# KiCad board CCC_ESC.kicad_pcb
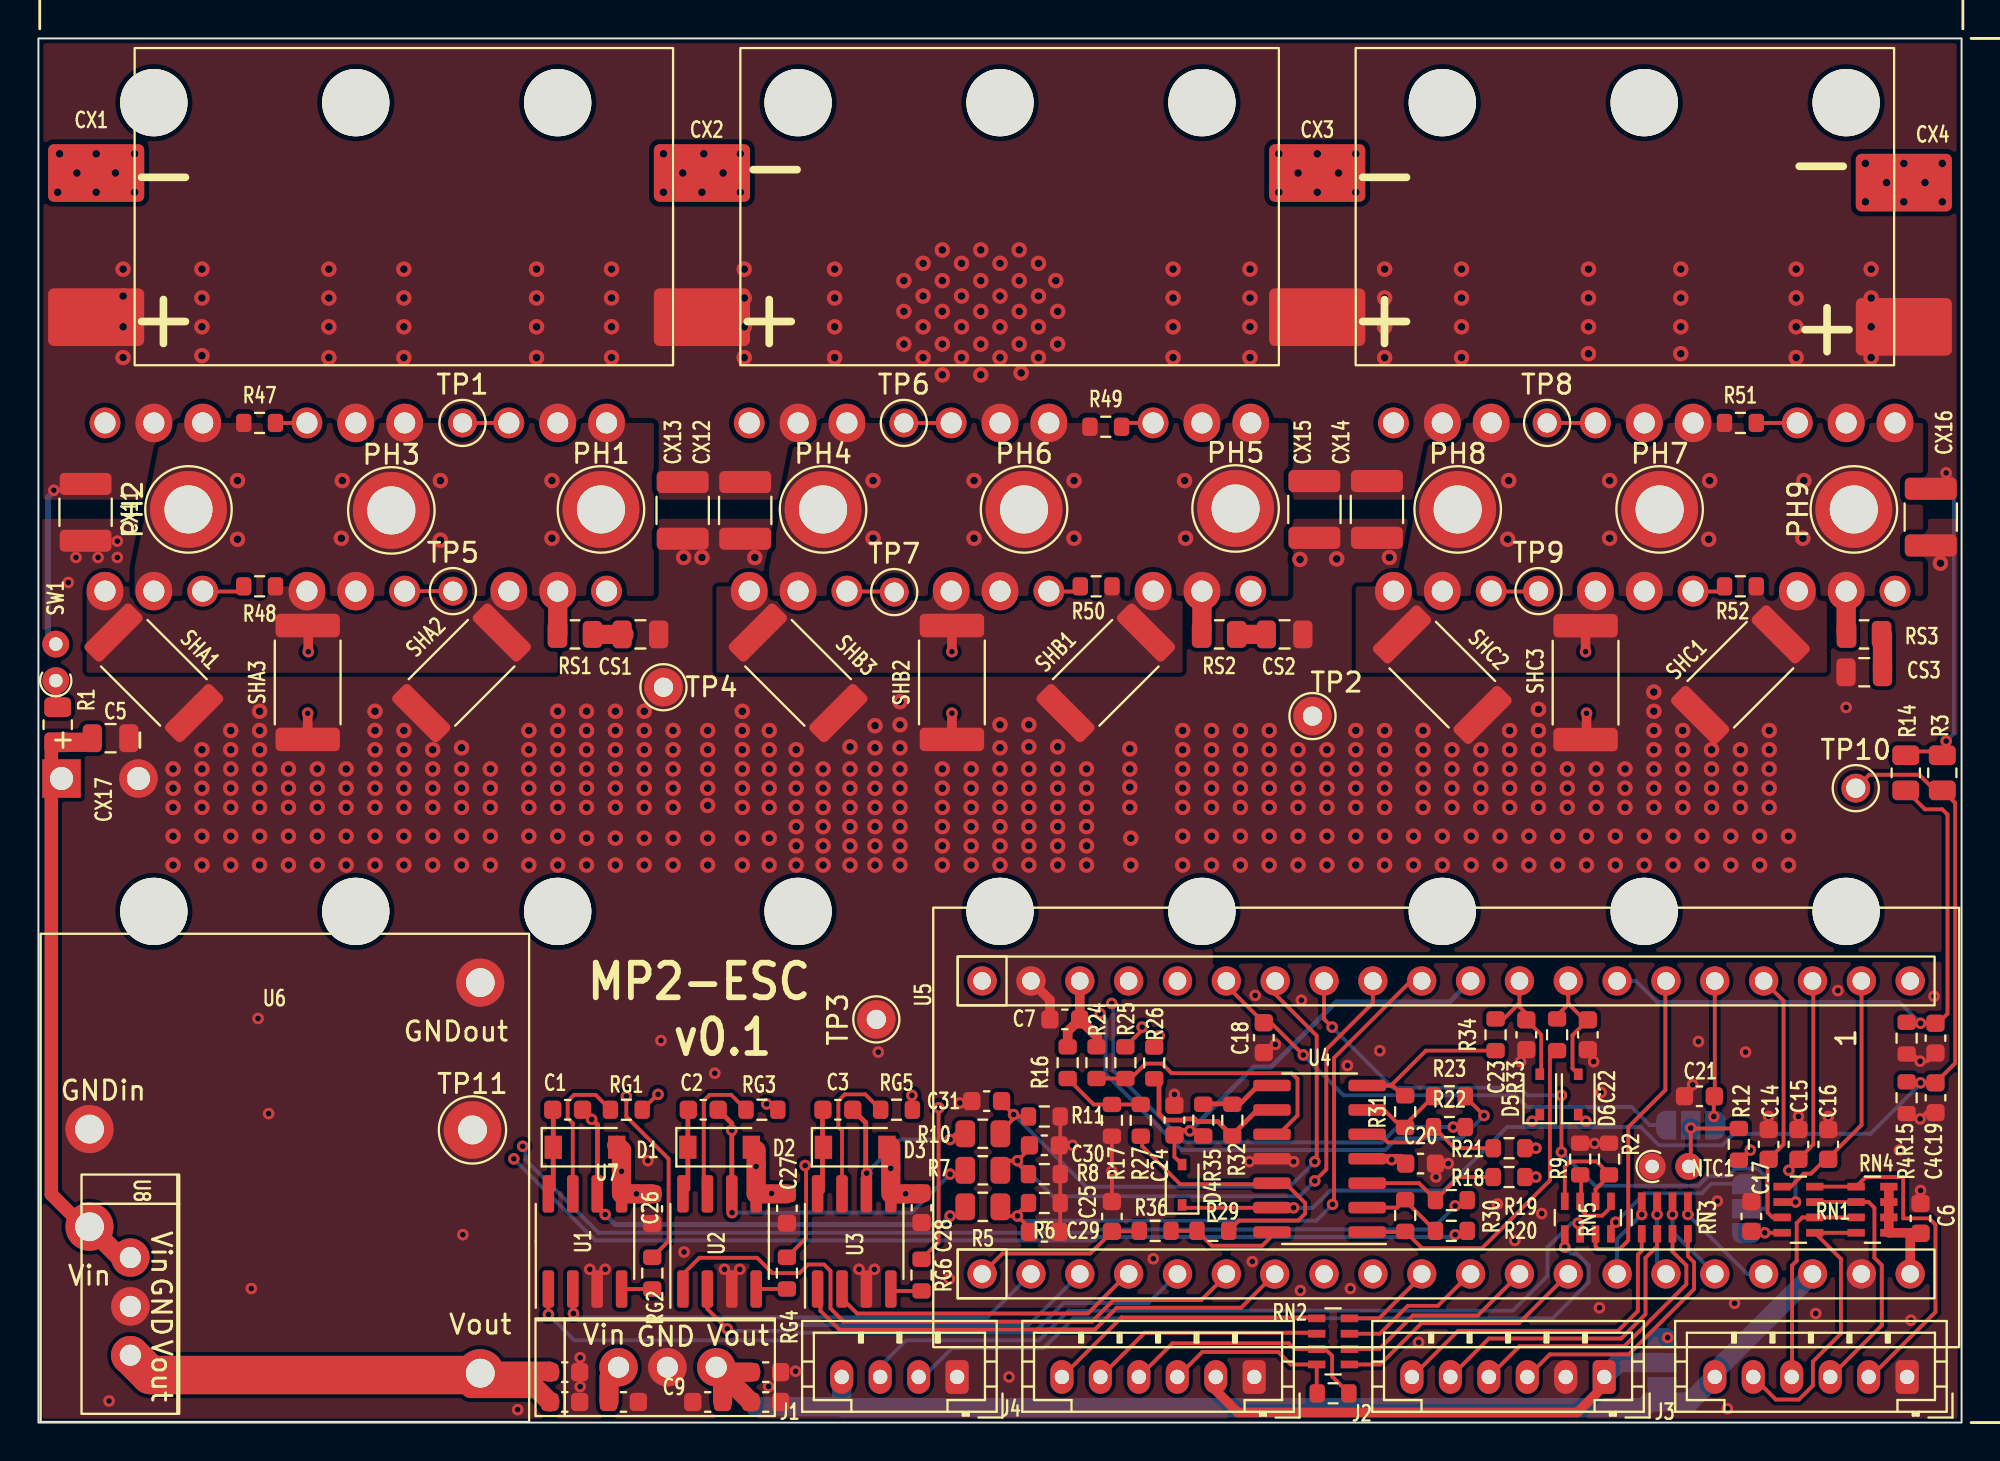
[diagram p0: board, top side]
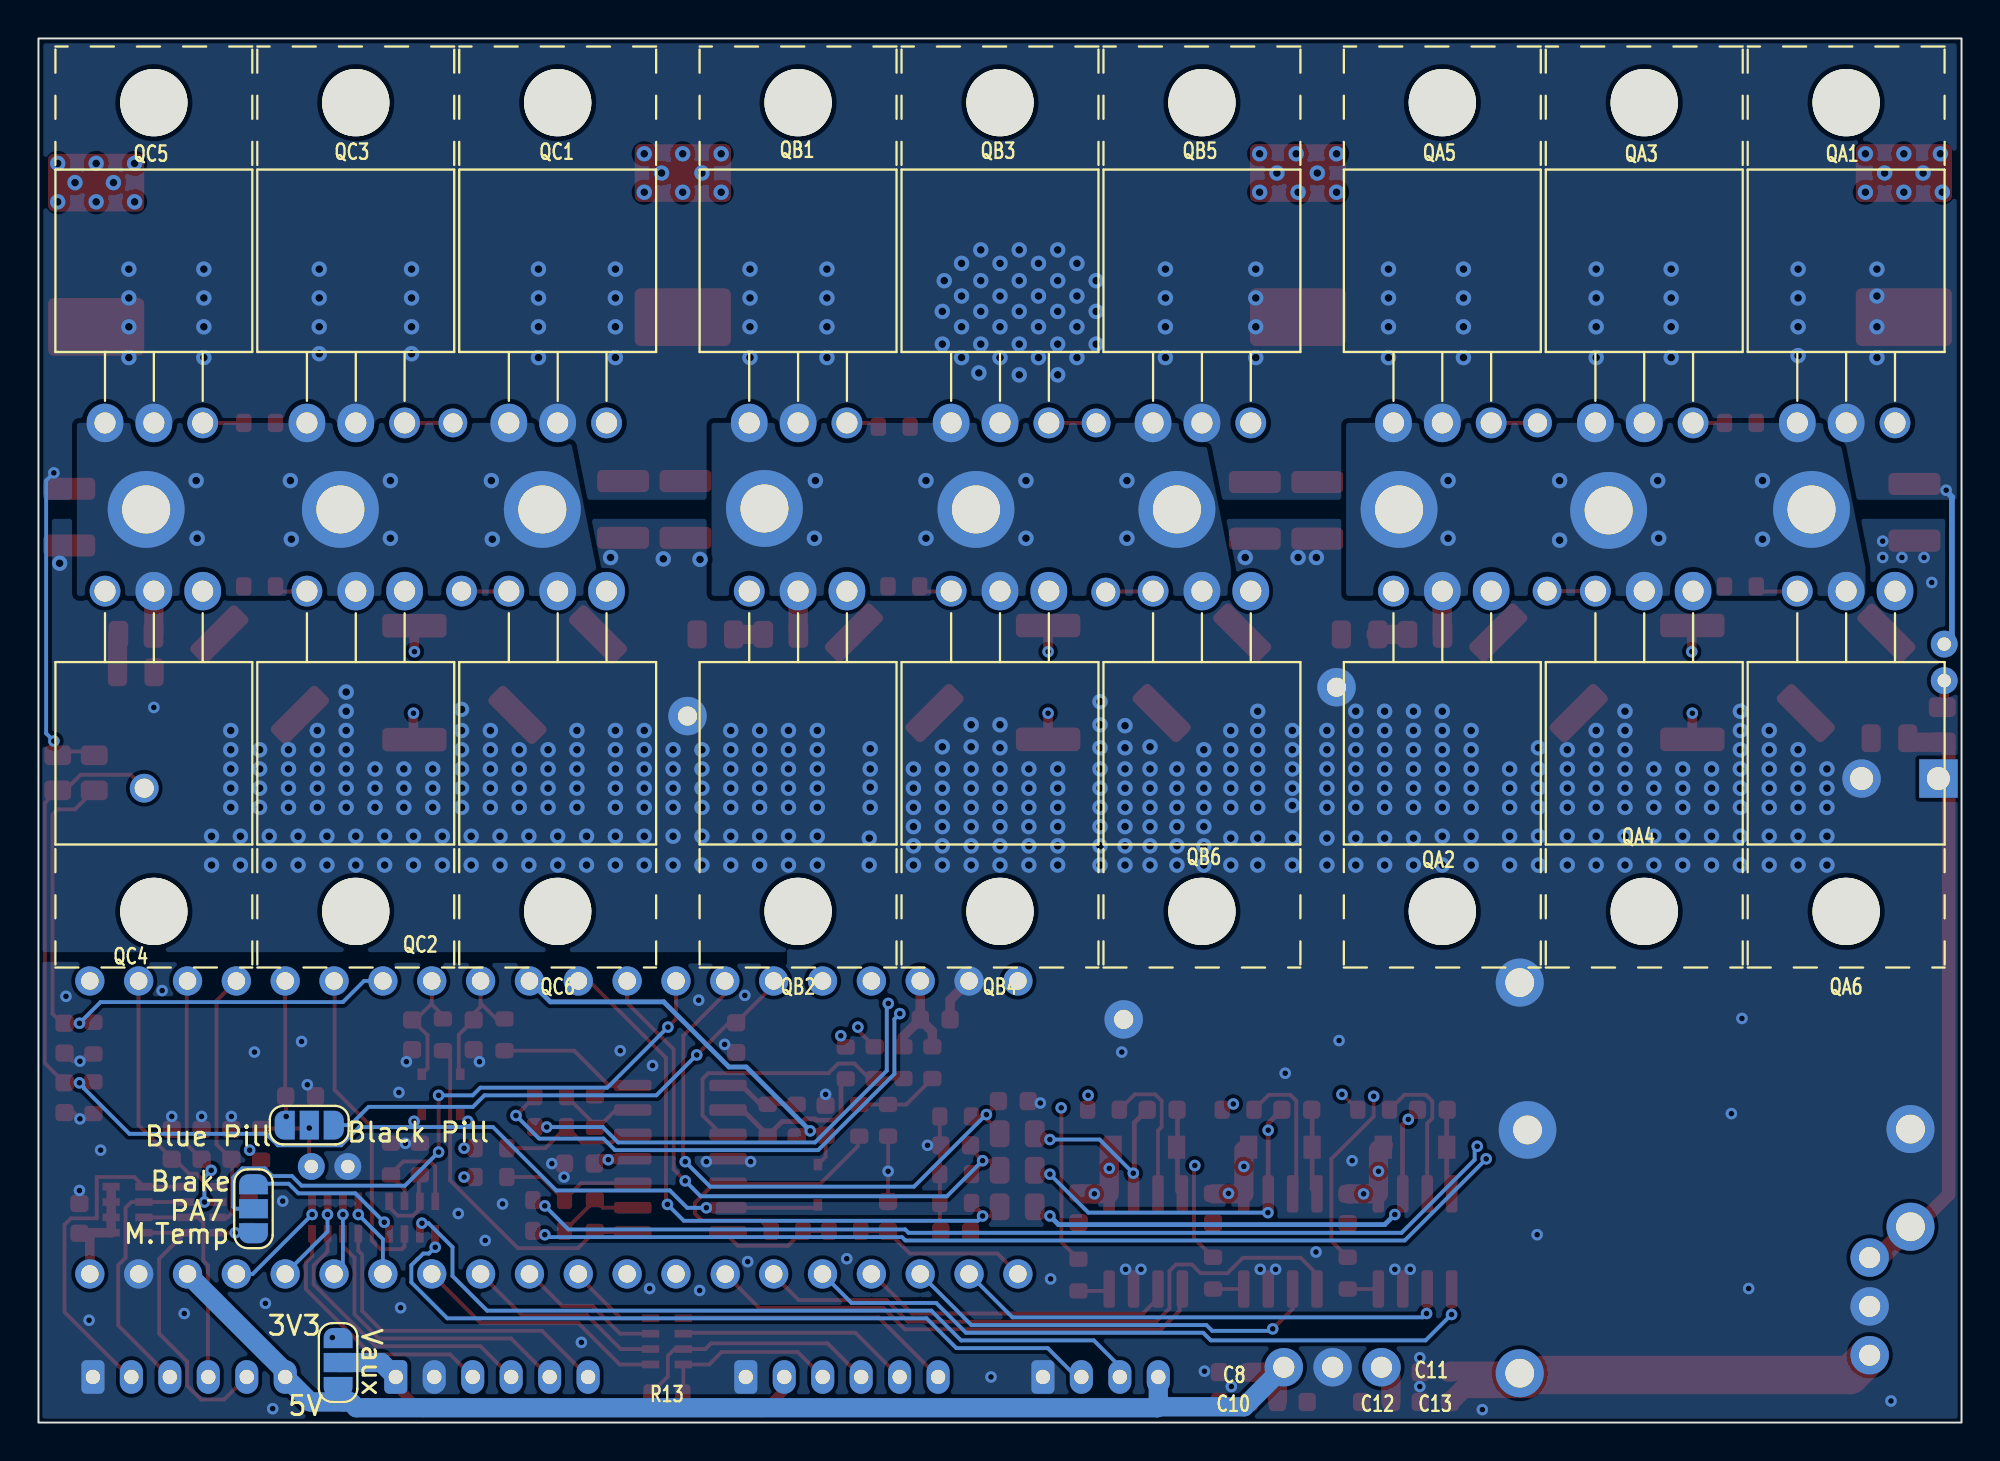
[diagram p1: board, bottom side, seen from below]

Outline 100 x 72 mm; copper layers: Top, In1.Cu, In2.Cu, Bottom. Coordinates in mm from the lower left corner of the outline.
Outline path: rectangle 0,72 100,0
Stack: Top 0.035mm / dielectric 0.51mm FR4 er 4.5 / In1.Cu 0.035mm / dielectric 0.51mm FR4 er 4.5 / In2.Cu 0.035mm / dielectric 0.51mm FR4 er 4.5 / Bottom 0.035mm

## Placement (name value [footprint] x y rotation side)
C1  10uF  [C_0603_1608Metric]  27.52 16.27 0 top
C2  10uF  [C_0603_1608Metric]  34.57 16.27 0 top
C3  10uF  [C_0603_1608Metric]  41.57 16.27 0 top
C4  1nF  [C_0603_1608Metric]  98.64 16.9 270 top
C5  100nF  [C_0805_2012Metric]  3.75 35.6 0 top
C6  100n  [C_0603_1608Metric]  97.87 10.62 90 top
C7  100n  [C_0603_1608Metric]  53.37 20.97 180 top
C8  10uF  [C_0603_1608Metric]  37.82 2.62 0 top
C9  10uF  [C_0603_1608Metric]  34.8 1.07 180 top
C10  10uF  [C_0603_1608Metric]  37.82 1.07 0 top
C11  10uF  [C_0603_1608Metric]  27.37 2.62 0 top
C12  10uF  [C_0603_1608Metric]  30.42 1.07 0 top
C13  10uF  [C_0603_1608Metric]  27.37 1.07 0 top
C14  1nF  [C_0603_1608Metric]  89.97 14.47 90 top
C15  1nF  [C_0603_1608Metric]  91.52 14.47 90 top
C16  1nF  [C_0603_1608Metric]  93.07 14.47 90 top
C17  1nF  [C_0603_1608Metric]  89.07 10.72 90 top
C18  100n  [C_0603_1608Metric]  63.72 20.02 270 top
C19  1nF  [C_0603_1608Metric]  98.64 20 270 top
C20  100n  [C_0603_1608Metric]  71.87 13.47 0 top
C21  100n  [C_0603_1608Metric]  86.37 16.97 180 top
C22  1nF  [C_0603_1608Metric]  80.57 20.17 270 top
C23  1nF  [C_0603_1608Metric]  77.37 20.17 270 top
C24  1nF  [C_0603_1608Metric]  59.07 15.73 90 top
C25  1nF  [C_0603_1608Metric]  55.82 10.72 90 top
C26  100n  [C_0603_1608Metric]  31.92 11.12 270 top
C27  100n  [C_0603_1608Metric]  38.92 11.15 270 top
C28  100n  [C_0603_1608Metric]  45.92 11.17 270 top
C29  47pF  [C_0603_1608Metric]  52.31 9.92 0 top
C30  47pF  [C_0603_1608Metric]  52.31 14.42 0 top
C31  47pF  [C_0603_1608Metric]  49.31 16.72 180 top
CS1  C  [C_0805_2012Metric]  31.3 41 180 top
CS2  C  [C_0805_2012Metric]  64.8 41 180 top
CS3  C  [C_0805_2012Metric]  94.94 39.03 0 top
CX1  470uF  [CAP_Polarized_SMD]  1 67.5 0 top
CX2  470uF  [CAP_Polarized_SMD]  32.5 67.5 0 top
CX3  470uF  [CAP_Polarized_SMD]  64.5 67.5 0 top
CX4  470uF  [CAP_Polarized_SMD_simple]  95 67 0 top
CX11  4.7uF  [C_1210_3225Metric]  2.45 47.35 270 top
CX12  4.7uF  [C_1210_3225Metric]  36.75 47.45 270 top
CX13  4.7uF  [C_1210_3225Metric]  33.5 47.45 270 top
CX14  4.7uF  [C_1210_3225Metric]  69.6 47.5 270 top
CX15  4.7uF  [C_1210_3225Metric]  66.35 47.5 270 top
CX16  4.7uF  [C_1210_3225Metric]  98.4 47.1 270 top
CX17  47uF  [CAP_Polaryzed]  1.2 33.5 90 top
D1  SM4007  [D_SOD-123]  28.42 14.32 0 top
D2  SM4007  [D_SOD-123]  35.42 14.32 0 top
D3  SM4007  [D_SOD-123]  42.47 14.32 0 top
D4  D_Small  [D_SOD-323]  59.47 12.37 90 top
D5  D_Small  [D_SOD-323]  78.07 17.07 90 top
D6  D_Small  [D_SOD-323]  80.07 17.07 90 top
J1  Conn_01x04  [JST_PH_B4B-PH-K_1x04_P2.00mm_Vertical]  47.77 2.37 180 top
J2  Conn_01x06  [JST_PH_B6B-PH-K_1x06_P2.00mm_Vertical]  81.42 2.37 180 top
J3  Conn_01x06  [JST_PH_B6B-PH-K_1x06_P2.00mm_Vertical]  97.17 2.37 180 top
J4  Conn_01x06  [JST_PH_B6B-PH-K_1x06_P2.00mm_Vertical]  63.22 2.37 180 top
JP1  SolderJumper_3_Open  [SolderJumper-3_P1.3mm_Open_RoundedPad1.0x1.5mm_NumberLabels]  84.42 3.12 90 bottom
JP2  SolderJumper_3_Open  [SolderJumper-3_P1.3mm_Open_RoundedPad1.0x1.5mm_NumberLabels]  88.82 11.12 90 bottom
JP3  SolderJumper_3_Open  [SolderJumper-3_P1.3mm_Open_RoundedPad1.0x1.5mm_NumberLabels]  85.92 15.47 180 bottom
NT1  NetTie_2  [NetTie-2_SMD_Pad0.5mm]  14.03 40.6 270 top
NT2  NetTie_2  [NetTie-2_SMD_Pad0.5mm]  14 36.4 90 top
NT3  NetTie_2  [NetTie-2_SMD_Pad0.5mm]  47.5 40.6 270 top
NT4  NetTie_2  [NetTie-2_SMD_Pad0.5mm]  47.5 36.4 90 top
NT5  NetTie_2  [NetTie-2_SMD_Pad0.5mm]  80.45 40.6 270 top
NT6  NetTie_2  [NetTie-2_SMD_Pad0.5mm]  80.5 36.4 90 top
NTC1  Conn_01x02  [R_Axial_DIN0204_L3.6mm_D1.6mm_P1.90mm_Vertical]  83.91 13.32 0 top
PH1  PhasePad  [TestPoint_THTPad_D4.0mm_Drill2.0mm]  29.25 47.5 0 top
PH2  PhasePad  [TestPoint_THTPad_D4.0mm_Drill2.0mm]  7.8 47.5 90 top
PH3  PhasePad  [TestPoint_THTPad_D4.0mm_Drill2.0mm]  18.35 47.45 0 top
PH4  PhasePad  [TestPoint_THTPad_D4.0mm_Drill2.0mm]  40.8 47.5 0 top
PH5  PhasePad  [TestPoint_THTPad_D4.0mm_Drill2.0mm]  62.25 47.55 0 top
PH6  PhasePad  [TestPoint_THTPad_D4.0mm_Drill2.0mm]  51.25 47.5 0 top
PH7  PhasePad  [TestPoint_THTPad_D4.0mm_Drill2.0mm]  84.3 47.5 0 top
PH8  PhasePad  [TestPoint_THTPad_D4.0mm_Drill2.0mm]  73.8 47.5 0 top
PH9  PhasePad  [TestPoint_THTPad_D4.0mm_Drill2.0mm]  94.4 47.5 90 top
QA1  MDP10N027  [TO-220-3_Horizontal_TabUp]  3.46 52 0 bottom
QA2  MDP10N027  [TO-220-3_Horizontal_TabUp]  29.54 43.25 180 bottom
QA3  MDP10N027  [TO-220-3_Horizontal_TabUp]  13.96 52 0 bottom
QA4  MDP10N027  [TO-220-3_Horizontal_TabUp]  19.04 43.25 180 bottom
QA5  MDP10N027  [TO-220-3_Horizontal_TabUp]  24.46 52 0 bottom
QA6  MDP10N027  [TO-220-3_Horizontal_TabUp]  8.54 43.25 180 bottom
QB1  MDP10N027  [TO-220-3_Horizontal_TabUp]  57.96 52 0 bottom
QB2  MDP10N027  [TO-220-3_Horizontal_TabUp]  63.04 43.25 180 bottom
QB3  MDP10N027  [TO-220-3_Horizontal_TabUp]  47.46 52 0 bottom
QB4  MDP10N027  [TO-220-3_Horizontal_TabUp]  52.54 43.25 180 bottom
QB5  MDP10N027  [TO-220-3_Horizontal_TabUp]  36.96 52 0 bottom
QB6  MDP10N027  [TO-220-3_Horizontal_TabUp]  42.04 43.25 180 bottom
QC1  MDP10N027  [TO-220-3_Horizontal_TabUp]  70.46 52 0 bottom
QC2  MDP10N027  [TO-220-3_Horizontal_TabUp]  86.04 43.25 180 bottom
QC3  MDP10N027  [TO-220-3_Horizontal_TabUp]  80.96 52 0 bottom
QC4  MDP10N027  [TO-220-3_Horizontal_TabUp]  96.54 43.25 180 bottom
QC5  MDP10N027  [TO-220-3_Horizontal_TabUp]  91.46 52 0 bottom
QC6  MDP10N027  [TO-220-3_Horizontal_TabUp]  75.54 43.25 180 bottom
R1  2R2  [R_0805_2012Metric]  1 36.3 90 top
R2  2k2  [R_0603_1608Metric]  81.67 13.71 90 top
R3  1M  [R_0805_2012Metric]  99 33.8 90 top
R4  33k  [R_0603_1608Metric]  97.14 16.9 90 top
R5  100k  [R_0805_2012Metric]  49.11 11.22 180 top
R6  3k3  [R_0603_1608Metric]  52.31 11.42 180 top
R7  100k  [R_0805_2012Metric]  49.11 13.12 180 top
R8  3k3  [R_0603_1608Metric]  52.31 12.92 180 top
R9  2k2  [R_0603_1608Metric]  80.17 13.71 270 top
R10  100k  [R_0805_2012Metric]  49.11 15.02 180 top
R11  3k3  [R_0603_1608Metric]  52.31 15.92 180 top
R12  10k  [R_0603_1608Metric]  88.42 14.47 270 top
R13  2k2  [R_0603_1608Metric]  67.32 1.52 180 top
R14  1M  [R_0805_2012Metric]  97.1 33.8 90 top
R15  33k  [R_0603_1608Metric]  97.14 20 90 top
R16  1k  [R_0603_1608Metric]  53.52 18.72 90 top
R17  8k2  [R_0603_1608Metric]  55.82 15.72 90 top
R18  47k  [R_0603_1608Metric]  76.47 12.77 0 top
R19  2k2  [R_0603_1608Metric]  73.47 11.57 0 top
R20  2k2  [R_0603_1608Metric]  73.47 9.97 0 top
R21  47k  [R_0603_1608Metric]  76.47 14.27 0 top
R22  2k2  [R_0603_1608Metric]  73.37 15.37 0 top
R23  2k2  [R_0603_1608Metric]  73.37 16.97 0 top
R24  47k  [R_0603_1608Metric]  55.02 18.72 90 top
R25  2k2  [R_0603_1608Metric]  56.52 18.72 90 top
R26  2k2  [R_0603_1608Metric]  58.02 18.71 90 top
R27  10k  [R_0603_1608Metric]  57.32 15.72 90 top
R29  220k  [R_0603_1608Metric]  61.07 9.97 180 top
R30  22k  [R_0603_1608Metric]  71.07 10.77 270 top
R31  22k  [R_0603_1608Metric]  71.07 16.17 90 top
R32  22k  [R_0603_1608Metric]  62.08 15.73 90 top
R33  R150  [R_0603_1608Metric]  78.97 20.17 90 top
R34  R150  [R_0603_1608Metric]  75.77 20.17 90 top
R35  R150  [R_0603_1608Metric]  60.57 15.73 270 top
R36  R150  [R_0603_1608Metric]  58.07 9.97 180 top
R47  1M  [R_0603_1608Metric]  11.5 52 0 top
R48  1M  [R_0603_1608Metric]  11.5 43.5 180 top
R49  1M  [R_0603_1608Metric]  55.5 51.8 0 top
R50  1M  [R_0603_1608Metric]  55 43.5 180 top
R51  1M  [R_0603_1608Metric]  88.5 52 0 top
R52  1M  [R_0603_1608Metric]  88.5 43.5 180 top
RG1  4R7  [R_0603_1608Metric]  30.57 16.27 180 top
RG2  4R7  [R_0603_1608Metric]  31.92 7.77 270 top
RG3  4R7  [R_0603_1608Metric]  37.62 16.27 180 top
RG4  4R7  [R_0603_1608Metric]  38.92 7.77 270 top
RG5  4R7  [R_0603_1608Metric]  44.62 16.27 180 top
RG6  4R7  [R_0603_1608Metric]  45.92 7.67 270 top
RN1  10k  [R_Array_Concave_4x0603]  91.52 11.07 0 top
RN2  100R  [R_Array_Concave_4x0603]  67.32 4.22 180 top
RN3  100R  [R_Array_Concave_4x0603]  84.57 10.67 270 top
RN4  10k  [R_Array_Concave_4x0603]  95.37 11.07 180 top
RN5  620R  [R_Array_Concave_4x0603]  80.57 10.66 90 top
RS1  R  [R_0805_2012Metric]  27.9 41 180 top
RS2  R  [R_0805_2012Metric]  61.4 41 180 top
RS3  R  [R_0805_2012Metric]  94.93 41 180 top
SHA1  1mR  [R_2512_6332Metric]  6 39 135 top
SHA2  1mR  [R_2512_6332Metric]  22 39 45 top
SHA3  1mR  [R_2512_6332Metric]  14 38.5 90 top
SHB1  1mR  [R_2512_6332Metric]  55.5 39 45 top
SHB2  1mR  [R_2512_6332Metric]  47.5 38.5 90 top
SHB3  1mR  [R_2512_6332Metric]  39.5 39 135 top
SHC1  1mR  [R_2512_6332Metric]  88.5 38.91 45 top
SHC2  1mR  [R_2512_6332Metric]  73 38.91 135 top
SHC3  1mR  [R_2512_6332Metric]  80.45 38.49 90 top
SW1  Conn_01x02  [R_Axial_DIN0204_L3.6mm_D1.6mm_P1.90mm_Vertical]  0.9 38.59 90 top
TP1  TestPoint  [TestPoint_THTPad_D2.0mm_Drill1.0mm#2]  22.05 52 0 top
TP2  TestPoint  [TestPoint_THTPad_D2.0mm_Drill1.0mm]  66.25 36.75 0 top
TP3  TestPoint  [TestPoint_THTPad_D2.0mm_Drill1.0mm]  43.57 20.97 90 top
TP4  TestPoint  [TestPoint_THTPad_D2.0mm_Drill1.0mm]  32.5 38.25 0 top
TP5  TestPoint  [TestPoint_THTPad_D2.0mm_Drill1.0mm#2]  21.55 43.25 0 top
TP6  TestPoint  [TestPoint_THTPad_D2.0mm_Drill1.0mm#2]  45 52 0 top
TP7  TestPoint  [TestPoint_THTPad_D2.0mm_Drill1.0mm#2]  44.5 43.2 0 top
TP8  TestPoint  [TestPoint_THTPad_D2.0mm_Drill1.0mm#2]  78.45 52 0 top
TP9  TestPoint  [TestPoint_THTPad_D2.0mm_Drill1.0mm#3]  78 43.25 0 top
TP10  TestPoint  [TestPoint_THTPad_D2.0mm_Drill1.0mm#2]  94.5 33 0 top
TP11  TestPoint  [TestPoint_THTPad_D3.0mm_Drill1.5mm]  22.57 15.22 0 top
U1  NCP5183 / TF2190-TAH  [SOIC-8_3.9x4.9mm_P1.27mm]  28.42 9.42 90 top
U2  NCP5183 / TF2190-TAH  [SOIC-8_3.9x4.9mm_P1.27mm]  35.42 9.42 90 top
U3  NCP5183 / TF2190-TAH  [SOIC-8_3.9x4.9mm_P1.27mm]  42.42 9.42 90 top
U4  NCS20034DR2G  [SOIC-14_3.9x8.7mm_P1.27mm]  66.62 13.72 180 top
U5  STM32F401CCU6_Balckpill  [Blackpill_STM32F401CEU6]  46.53 3.92 90 top
U6  PQDE6W-Q110  [PQDE6W]  0.11 25.43 0 top
U7  -  [TO220_replacement_module]  27.62 5.42 0 top
U8  -  [TO220_replacement_module]  7.32 11.12 270 top

## Library data of the parts
C1-C3 C8-C13 = -: LCSC: C386081; MFR PT: TMK107BBJ106MA-T
C4 C19 C22-C25 = -: LCSC: C1588; MFR PT: CL10B102KB8NNNC
C5 = -: LCSC: C28233; MFR PT: CL21B104KCFNNNE
C6 C7 C18 C20 C21 C26-C28 = -: LCSC: C14663; MFR PT: CC0603KRX7R9BB104
C14-C17 = -: LCSC: C1588; MFR PT: 0603B152K500NT
C29-C31 = -: LCSC: C1671; MFR PT: CL10C470JB8NNNC
CX1-CX4 = -: LCSC: C2913975; MFR PT: 100PX470MEFC16X25
CX11-CX16 = -: LCSC: C381466; MFR PT: FS32X475K101EGG
CX17 = -: LCSC: C88763; MFR PT: 100ZL47MEFC10X12.5
D1-D3 = -: LCSC: C64898; MFR PT: SM4007PL
D4-D6 = -: LCSC: C191023; MFR PT: 1N5819WS
R1 = -: LCSC: C17521; MFR PT: 0805W8F220KT5E
R2 R9 R13 R19 R20 R22 R23 R25 R26 = -: LCSC: C4190; MFR PT: 0603WAF2201T5E
R3 R14 = -: LCSC: C17514; MFR PT: 0805W8F1004T5E
R4 R15 = -: LCSC: C4216; MFR PT: 0603WAF3302T5E
R5 R7 R10 = -: LCSC: C149504; MFR PT: 0805W8F1003T5E
R6 R8 R11 = -: LCSC: C22978; MFR PT: 0603WAF3301T5E
R12 R27 = -: LCSC: C25804; MFR PT: 0603WAF1002T5E
R16 = -: LCSC: C21190; MFR PT: 0603WAF1001T5E
R17 = -: LCSC: C25981; MFR PT: 0603WAF8201T5E
R18 R21 R24 = -: LCSC: C25819; MFR PT: 0603WAF4702T5E
R29 = -: LCSC: C22961; MFR PT: 0603WAF2203T5E
R30-R32 = -: LCSC: C31850; MFR PT: 0603WAF2202T5E
R33-R36 = -: LCSC: C22808; MFR PT: 0603WAF1500T5E
R47-R52 = -: LCSC: C22935; MFR PT: 0603WAF1004T5E
RG1-RG6 = -: LCSC: C23164; MFR PT: 0603WAF470KT5E
RN1 RN4 = -: LCSC: C29718; MFR PT: 4D03WGF1002T5(E)
RN2 RN3 = -: LCSC: C79203; MFR PT: RC-ML08W101JT
RN5 = -: LCSC: C12034; MFR PT: 4D03WGJ0621T5E
SHA1-SHA3 SHB1-SHB3 SHC1-SHC3 = -: LCSC: C500734; MFR PT: LR2512D-3W-1mR-1%
U1-U3 = -: LCSC: C2683758; MFR PT: TF2190-TAH
U4 = -: LCSC: C89848

## Footprints (pads in the part's own frame, mm; a bottom-side part is the same pattern mirrored in y, then rotated)
Blackpill_STM32F401CEU6
  round 1.524 hole 0.914: 1(19.05,-50.8) 2(19.05,-48.26) 3(19.05,-45.72) 4(19.05,-43.18) 5(19.05,-40.64) 6(19.05,-38.1) 7(19.05,-35.56) 8(19.05,-33.02) 9(19.05,-30.48) 10(19.05,-27.94) 11(19.05,-25.4) 12(19.05,-22.86) 13(19.05,-20.32) 14(19.05,-17.78) 15(19.05,-15.24) 16(19.05,-12.7) 17(19.05,-10.16) 18(19.05,-7.62) 19(19.05,-5.08) 20(19.05,-2.54) 21(3.81,-2.54) 22(3.81,-5.08) 23(3.81,-7.62) 24(3.81,-10.16) 25(3.81,-12.7) 26(3.81,-15.24) 27(3.8,-17.756) 28(3.81,-20.32) 29(3.81,-22.86) 30(3.81,-25.4) 31(3.81,-27.94) 32(3.81,-30.48) 33(3.81,-33.02) 34(3.81,-35.56) 35(3.81,-38.1) 36(3.81,-40.64) 37(3.81,-43.18) 38(3.81,-45.72) 39(3.81,-48.26) 40(3.81,-50.8)
C_0603_1608Metric
  rrect 0.9x0.95 smd: 1(-0.775,0) 2(0.775,0)
C_0805_2012Metric
  rrect 1x1.45 smd: 1(-0.95,0) 2(0.95,0)
C_1210_3225Metric
  rrect 1.15x2.7 smd: 1(-1.475,0) 2(1.475,0)
CAP_Polarized_SMD
  rrect 5x3 smd: 1(2,-10) 2(2,-2.5)
CAP_Polarized_SMD_simple
  rrect 5x3 smd: 1(2,-10) 2(2,-2.5)
CAP_Polaryzed
  rect 2x2 hole 1.2: 1(0,0)
  round 2 hole 1.2: 2(0,-4)
D_SOD-123
  rect 0.9x1.2 smd: 1(-1.65,0) 2(1.65,0)
D_SOD-323
  rect 0.6x0.45 smd: 1(-1.05,0) 2(1.05,0)
JST_PH_B4B-PH-K_1x04_P2.00mm_Vertical
  rrect 1.2x1.75 hole 0.75: 1(0,0)
  oval 1.2x1.75 hole 0.75: 2(2,0) 3(4,0) 4(6,0)
JST_PH_B6B-PH-K_1x06_P2.00mm_Vertical
  rrect 1.2x1.75 hole 0.75: 1(0,0)
  oval 1.2x1.75 hole 0.75: 2(2,0) 3(4,0) 4(6,0) 5(8,0) 6(10,0)
NetTie-2_SMD_Pad0.5mm
  round 0.5 smd: 1(-0.5,0) 2(0.5,0)
PQDE6W
  round 2.5 hole 1.5: 1(2.54,-15.24) 2(2.54,-10.16) 3(22.86,-2.54) 4(22.86,-22.86)
R_0603_1608Metric
  rrect 0.8x0.95 smd: 1(-0.825,0) 2(0.825,0)
R_0805_2012Metric
  rrect 1.025x1.4 smd: 1(-0.912,0) 2(0.912,0)
R_2512_6332Metric
  rrect 1.225x3.35 smd: 1(-2.962,0) 2(2.962,0)
R_Array_Concave_4x0603
  rect 0.9x0.4 smd: 1(-0.85,1.2) 2(-0.85,0.4) 3(-0.85,-0.4) 4(-0.85,-1.2) 5(0.85,-1.2) 6(0.85,-0.4) 7(0.85,0.4) 8(0.85,1.2)
R_Axial_DIN0204_L3.6mm_D1.6mm_P1.90mm_Vertical
  round 1.4 hole 0.7: 1(0,0)
  oval 1.4x1.4 hole 0.7: 2(1.9,0)
SOIC-8_3.9x4.9mm_P1.27mm
  rrect 1.95x0.6 smd: 1(-2.475,1.905) 2(-2.475,0.635) 3(-2.475,-0.635) 4(-2.475,-1.905) 5(2.475,-1.905) 6(2.475,-0.635) 7(2.475,0.635) 8(2.475,1.905)
SOIC-14_3.9x8.7mm_P1.27mm
  rrect 1.95x0.6 smd: 1(-2.475,3.81) 2(-2.475,2.54) 3(-2.475,1.27) 4(-2.475,0) 5(-2.475,-1.27) 6(-2.475,-2.54) 7(-2.475,-3.81) 8(2.475,-3.81) 9(2.475,-2.54) 10(2.475,-1.27) 11(2.475,0) 12(2.475,1.27) 13(2.475,2.54) 14(2.475,3.81)
SolderJumper-3_P1.3mm_Open_RoundedPad1.0x1.5mm_NumberLabels
  custom 1.05x1.5 smd: 1(-1.3,0) 3(1.3,0)
  rect 1x1.5 smd: 2(0,0)
TestPoint_THTPad_D2.0mm_Drill1.0mm
  round 2 hole 1: 1(0,0)
TestPoint_THTPad_D2.0mm_Drill1.0mm#2
  round 1.5 hole 1: 1(0,0)
TestPoint_THTPad_D2.0mm_Drill1.0mm#3
  round 1.6 hole 1: 1(0,0)
TestPoint_THTPad_D3.0mm_Drill1.5mm
  round 3 hole 1.5: 1(0,0)
TestPoint_THTPad_D4.0mm_Drill2.0mm
  round 4 hole 2.5: 1(0,0)
TO220_replacement_module
  round 2 hole 1.1: 1(2.54,-2.54) 2(5.08,-2.54) 3(7.62,-2.54)
TO-220-3_Horizontal_TabUp
  oval 3.5x3.5 hole 3.5 unplated: (2.54,-16.66)
  round 1.6 hole 1.1: 1(0,0)
  oval 1.905x2 hole 1.1: 2(2.54,0) 3(5.08,0)
